# KiCad board labathome_pcb.kicad_pcb (continued)
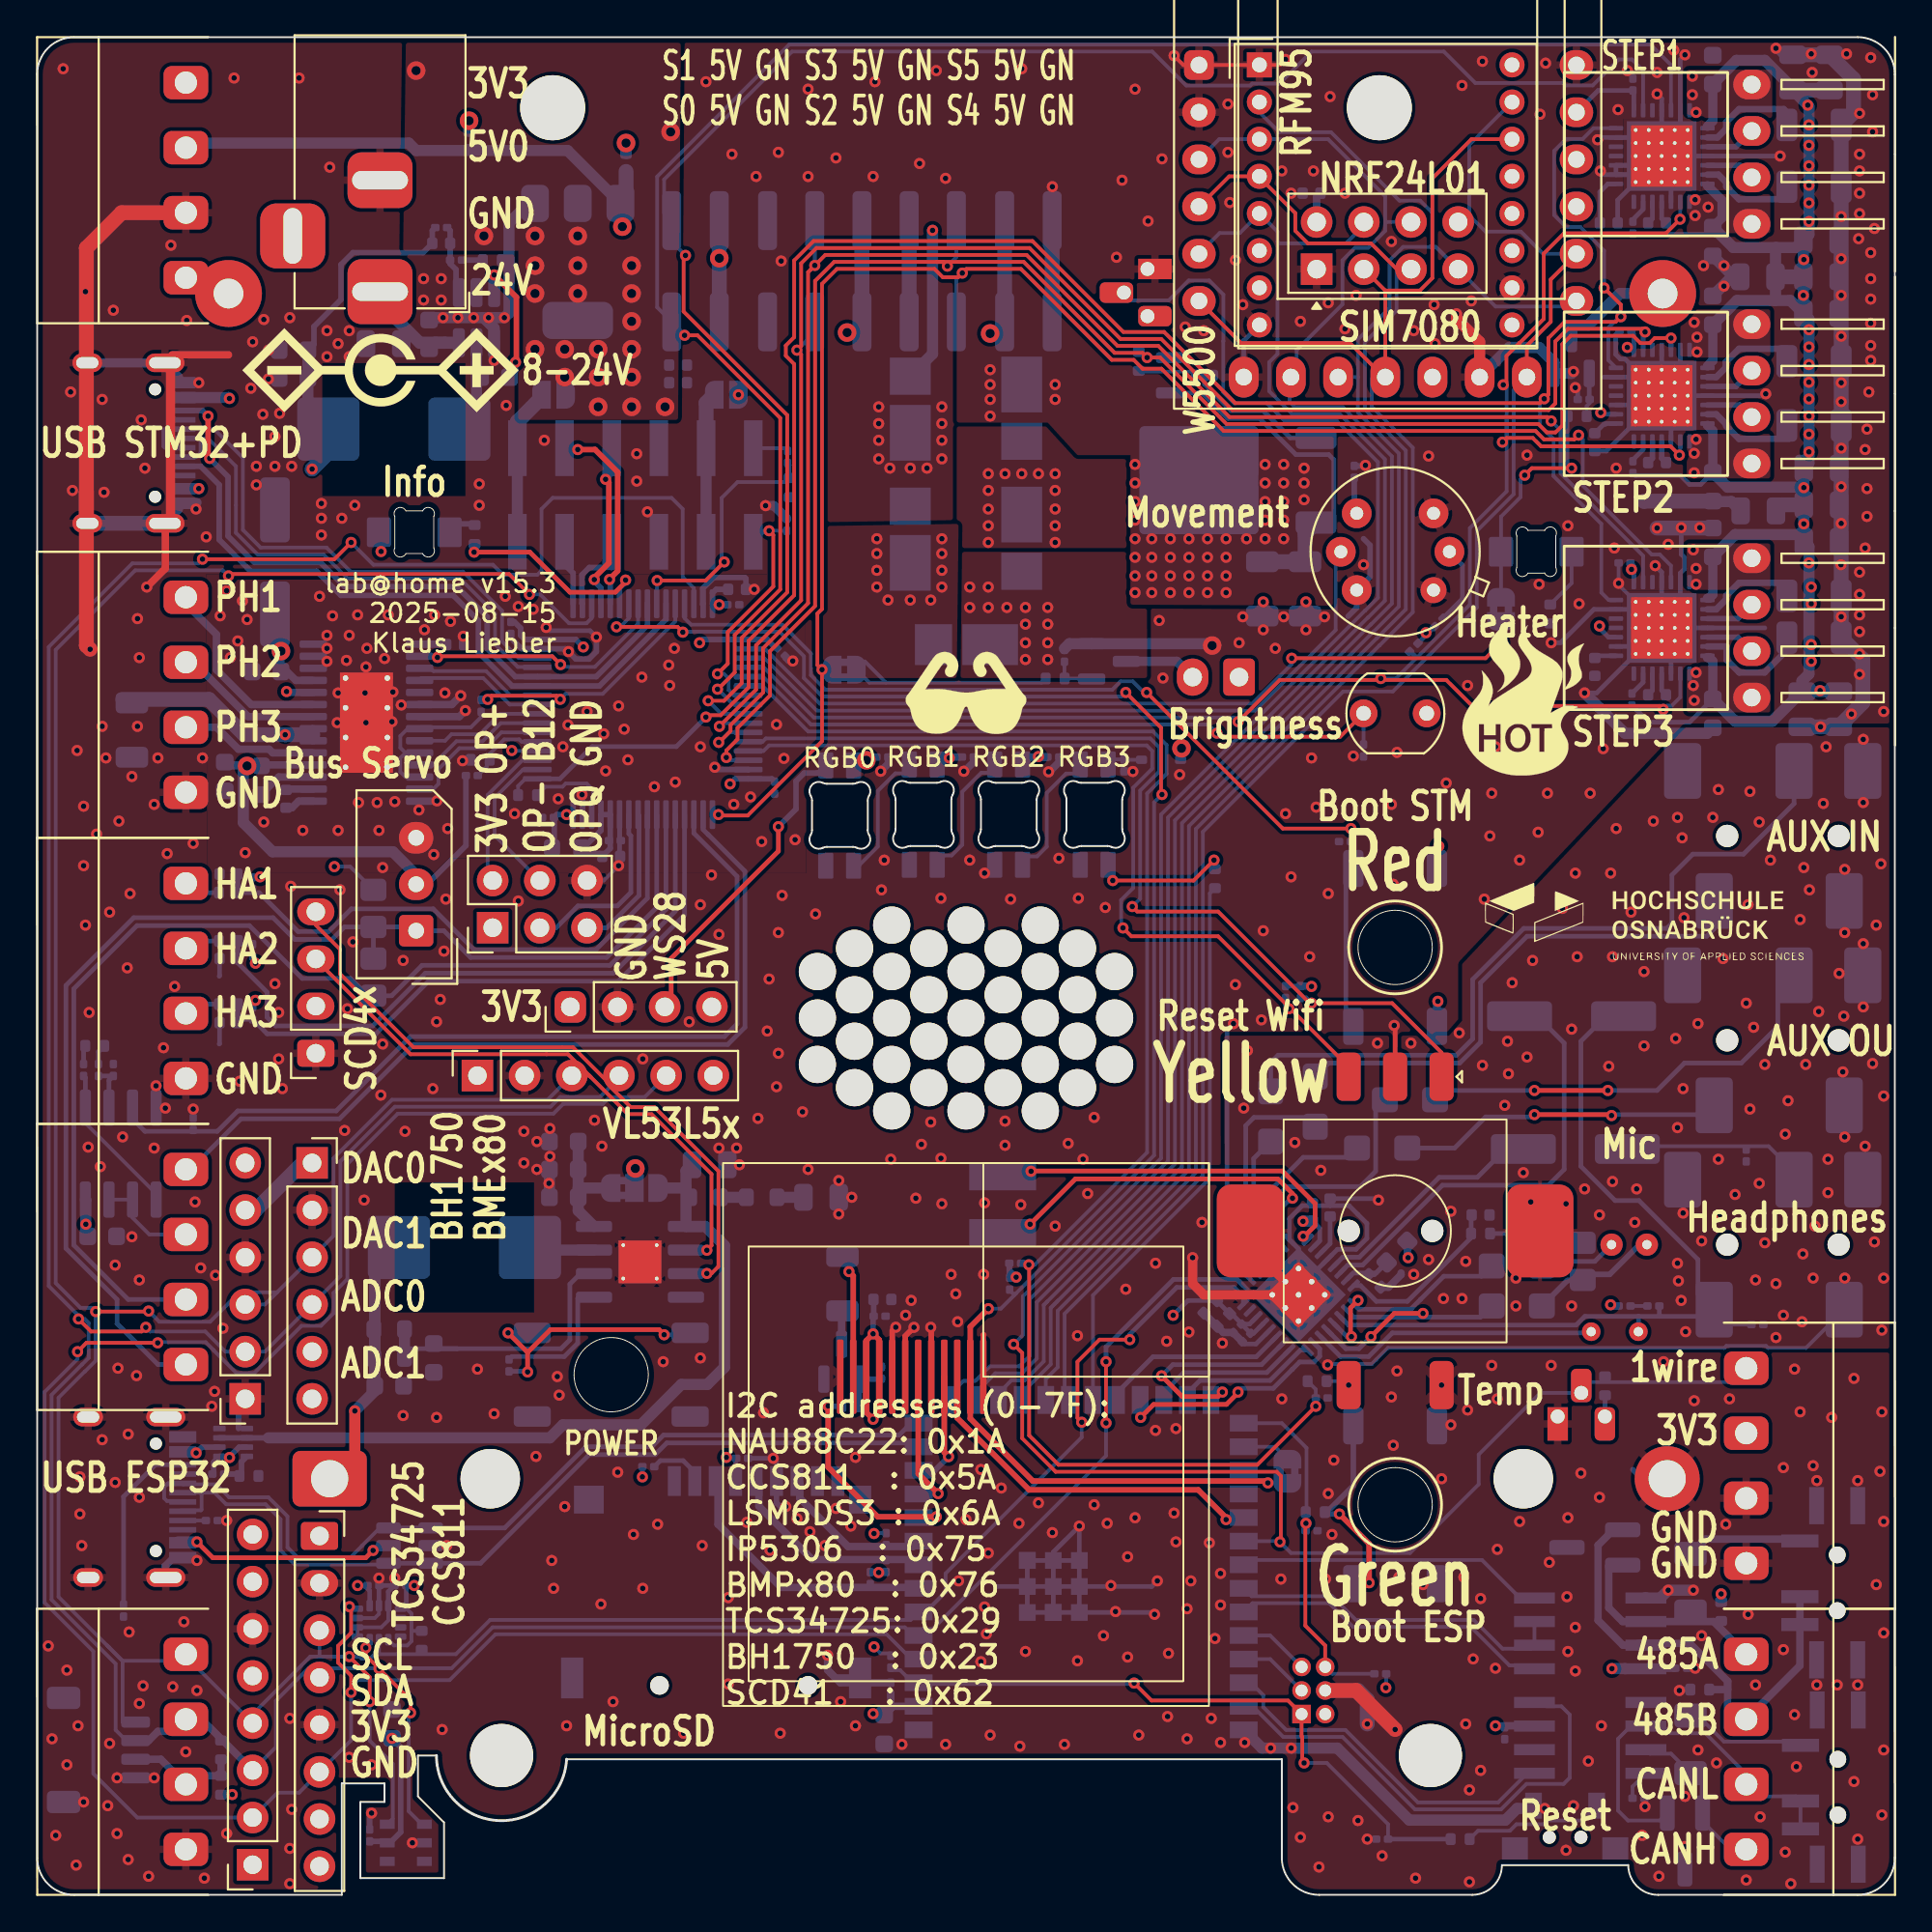
[diagram p0: board, top side]
## Nets (continued)
5-24V: C39.1 C51.2 C52.2 C58.1 C63.1 C64.2 C68.1 C69.2 C72.2 C75.1 C76.1 C77.2 C78.2 C79.2 C80.2 C85.2 C86.1 C88.2 C89.1 C90.1 C92.1 C93.2 C96.2 C97.2 C98.1 C102.2 C103.2 C104.2 D8.2 J9.2 J13.A4 J13.A9 J13.B4 J13.B9 J18.2 J22.4 R33.1 R68.1 U3.4 U3.11 U14.22 U14.28 U16.8 U19.22 U19.28 U20.22 U20.28 U27.3
485_DE: U1.2 U1.3 U4.34
485_DI: U1.4 U4.33
485_RO: U1.1 U4.35
+BATT: BT1.1 C29.1 L1.2 R7.1 R28.1
/actors/D9_COOL: D12.1 Q3.2
/actors/D10_COOL: D9.1 D10.2
/actors/D11_COOL: D10.1 D11.2
/actors/D12_COOL: D8.1 D9.2
/actors/D13_COOL: D11.1 D12.2
/audioamplifier/JACK_DETECT: C18.2 J16.T R25.2 R27.1 TP1.1 U10.3
/psu/BOOT: C81.1 U27.6
/psu/FB: C82.1 R59.2 R60.2 U27.4
/psu/SW: C81.2 L4.2 U27.2
ADC0_U1T: J27.3 R77.1 U5.22
ADC1_U1R: J18.1 J27.4 R76.2 R77.2 U5.23
BL_DRV1: U3.27 U5.38
BL_DRV2: U3.25 U5.39
BL_DRV3: U3.23 U5.40
BL_ENABLE: R63.2 U3.22 U3.24 U3.26
BL_ENABLEx: R63.1 U5.60
BL_FAULT: U3.18 U5.41
BL_HALL1: C8.1 R16.2 R17.2 U5.24
BL_HALL2: C9.1 R14.2 R51.2 U5.21
BL_HALL3: C10.1 R10.2 R64.2 U5.20
BL_ISENSE: R38.1 U3.6 U3.7 U3.10 U5.36
BL_RESET: U3.16 U5.56
BL_SLEEP: U3.17 U5.42
BRIGHTNESS: R11.1 R32.2 U5.5
BTN_GRN: C53.2 J6.6 R40.1 R41.2 U4.27
BTN_RED: R39.1 SW7.2 U5.61
BTN_YEL: C40.2 R66.2 R67.2 U5.6
CAN_RX: U4.39 U7.4
CAN_TX: U4.38 U7.1
CANH: D3.2 J15.1 R46.2 U7.7
CANL: D3.1 J15.2 SW3.2 SW3.3 U7.6
DAC0: J27.1 U5.18
DAC1: R50.2 U5.19 U16.3
DAC1x: J27.2 U16.6 U16.7
EXT_CLK: M1.4 U4.18 U6.4 U15.5
EXT_CS: M1.5 U4.15 U6.5 U15.4
EXT_IO1: M1.6 U4.19 U6.14 U15.3 X3.4
EXT_IO2: M1.8 U4.20 U6.15 U15.8 X3.7
EXT_MISO: M1.7 U4.17 U6.2 U15.7 X3.3
EXT_MOSI: M1.3 U4.16 U6.3 U15.6 X3.2
FAN_DRIVE: J25.5 JP9.1 U5.17 U20.19
HEATER: JP8.1 U5.2
HEATER_SW: Q2.3 R33.2
I2C_IRQ: J12.2 J20.6 J23.5 U4.4 U9.4
I2S_ADC: U4.24 U10.9
I2S_BCLK: U4.25 U10.8
I2S_DAC: U4.26 U10.10
I2S_FS: U4.23 U10.7
I2S_MCLK: U4.22 U10.11
LCD_BACKLIGHT: R74.2 U4.10
LCD_CLK: U4.12 X2.9
LCD_DAT: U4.31 X2.10
LCD_DC: U4.11 X2.7
LCD_LED: R78.1 X2.2
LCD_RES: JP3.2 R62.2 U5.55 X2.11
LED_INFO: R34.1 U5.54
LED_RGB: R70.2 U4.21
LED_WHITE_P: J25.6 R12.2 U5.14 U19.19
MOVE: U5.3 U22.5
OPAMP3+: J26.2 U5.35
OPAMP3-: J26.3 U5.26
OPAMP3Q: J26.5 U5.25
PB12: J26.4 U5.34
PROG_EN: C5.1 J6.1 R1.2 R2.1 U4.3
PROG_RX: J6.5 U4.36
PROG_TX: J6.3 U4.37
ROT_A: R36.1 SW6.A U5.12
ROT_B: R37.2 SW6.B U5.13
RS485A: D2.2 J15.4 R8.2 R20.1 U1.6
RS485B: D2.1 J15.3 R5.1 SW2.2 SW2.3 U1.7
SCL: J2.1 J4.3 J10.3 J11.4 J12.4 J19.3 J20.3 J23.3 R44.1 U2.2 U4.6 U5.51 U9.13 U10.16 U12.3
SDA: J2.2 J4.4 J10.4 J11.3 J12.3 J19.2 J20.4 J23.4 R43.1 U2.3 U4.5 U5.62 U9.14 U10.17 U12.4
STEPPER_DIR1: J25.17 U5.8 U14.19
STEPPER_EN: R29.1 U5.4 U14.2 U19.2 U20.2
STEPPER_STEP1: J25.18 U5.9 U14.16
STEPPER_STEP2: J25.11 U5.10 U19.16
STEPPER_STEP3: J25.12 U5.11 U20.16
STEPPER_UART: R22.2 U5.33 U14.14 U19.14 U20.14
STM32_RESET: C25.1 J36.2 U5.7
SWCLK: J36.8 U5.50
SWDIO: J36.10 U5.49
U3T: R22.1 U5.30
UART4_RX: J36.9 U5.53
UART4_TX: J36.7 U5.52
USBM: J5.A7 J5.B7 U4.13 U8.3 U8.4
USBP: J5.A6 J5.B6 U4.14 U8.1 U8.6
USBPD_CC1: J13.A5 U5.43 U5.59
USBPD_CC2: J13.B5 U5.44 U5.57
USBPD_D+: J13.A6 J13.B6 U5.46
USBPD_D-: J13.A7 J13.B7 U5.45
uSD_CLK: J17.5 R57.2 U4.8
uSD_CMD: J17.3 R56.2 U4.7
uSD_D0: J17.7 R58.2 U4.9
Net-(C1-Pad1): C1.1 R3.2
Net-(C16-Pad2): C16.2 J14.T
Net-(C17-Pad2): C17.2 J14.R
Net-(C19-Pad2): C19.2 J16.R R55.1
Net-(C24-Pad1): C24.1 J3.R
Net-(C62-Pad1): C62.1 J3.T
Net-(D14-A): D14.2 JP8.2 R30.2
Net-(D14-K): D14.1 R6.2
Net-(D15-DIN): D15.4 D21.2
Net-(D15-DOUT): D15.2 D16.4
Net-(D16-DOUT): D16.2 D17.4
Net-(D17-DOUT): D17.2 J8.3
Net-(D19-K): D19.1 R34.2
Net-(D20-K): C45.2 D20.1 D21.1
Net-(D21-DIN): D21.4 R70.1
Net-(J1-Pin_1): J1.1 R16.1
Net-(J1-Pin_2): J1.2 R14.1
Net-(J1-Pin_3): J1.3 R10.1
Net-(J5-CC1): J5.A5 R18.1
Net-(J5-CC2): J5.B5 R19.1
Net-(J7-Pin_2): J7.2 Q5.3
Net-(J17-DAT3/CD): J17.2 R61.2
Net-(J24-Pin_1): J24.1 U14.1
Net-(J24-Pin_2): J24.2 U14.26
Net-(J24-Pin_3): J24.3 U14.24
Net-(J24-Pin_4): J24.4 U14.21
Net-(J28-Pin_1): J28.1 U3.9
Net-(J28-Pin_2): J28.2 U3.8
Net-(J28-Pin_3): J28.3 U3.5
Net-(J30-Pin_1): J30.1 U19.1
Net-(J30-Pin_2): J30.2 U19.26
Net-(J30-Pin_3): J30.3 U19.24
Net-(J30-Pin_4): J30.4 U19.21
Net-(J31-Pin_1): J31.1 U20.1
Net-(J31-Pin_2): J31.2 U20.26
Net-(J31-Pin_3): J31.3 U20.24
Net-(J31-Pin_4): J31.4 U20.21
Net-(J36-Pin_3): J36.3 J36.4 JP4.1
Net-(J36-Pin_11): J36.11 J36.12 JP5.2
Net-(JP2-A): C28.2 C30.2 C31.2 JP2.1 U2.8
Net-(JP2-B): C4.1 JP2.3 R47.1 U2.1 U18.2 U18.7
Net-(JP3-A): JP3.1 U4.28
Net-(JP9-B): JP9.2 R35.2
Net-(MK1-+): C23.1 MK1.2 R24.1
Net-(MK1--): C20.1 MK1.1 R23.2
Net-(Q1-B): Q1.1 Q3.3 R13.1 R15.1
Net-(Q1-C): Q1.3 Q3.1 R12.1
Net-(Q2-G): Q2.1 R30.1 R31.2
Net-(Q5-G): Q5.1 R35.1 R45.2
Net-(Q6-D): Q6.3 R78.2
Net-(Q6-G): Q6.1 R74.1 R75.1
Net-(R1-Pad1): R1.1 SW1.2
Net-(R3-Pad1): R3.1 R47.2
Net-(R4-Pad2): R4.2 SW5.2
Net-(R25-Pad1): R25.1 R54.2
Net-(R40-Pad2): R40.2 SW8.2
Net-(R48-Pad2): R48.2 R60.1
Net-(R49-Pad1): R49.1 R85.1
Net-(R49-Pad2): R49.2 R82.2
Net-(R66-Pad1): R66.1 SW6.S2
Net-(SW2-A): R20.2 SW2.1
Net-(SW3-A): R46.1 SW3.1
Net-(U2-BAT): C7.1 R7.2 R28.2 U2.6
Net-(U2-KEY): R4.1 U2.5
Net-(U2-SW): L1.1 U2.7
Net-(U3-CPH): C38.2 U3.2
Net-(U3-CPL): C38.1 U3.1
Net-(U3-V3P3): C61.1 U3.15
Net-(U3-VCP): C51.1 U3.3
Net-(U5-VDDA): C37.1 C49.1 FB2.1 U5.28 U5.29
Net-(U7-Rs): R21.1 U7.8
Net-(U10-AUXOUT1): C16.1 U10.21
Net-(U10-AUXOUT2): C17.1 U10.22
Net-(U10-LAUXIN): C62.2 U10.19
Net-(U10-LHP): C18.1 U10.30
Net-(U10-LMICN): C20.2 U10.2 U10.5
Net-(U10-LMICP): C23.2 U10.1 U10.4
Net-(U10-LSPKOUT): LS1.1 U10.25
Net-(U10-MICBIAS): C22.1 R24.2 U10.32
Net-(U10-MODE): R26.1 U10.18
Net-(U10-RAUXIN): C24.2 U10.20
Net-(U10-RHP): C19.1 U10.29
Net-(U10-RLIN/GPIO3): TP6.1 U10.6
Net-(U10-RSPKOUT): LS1.2 U10.23
Net-(U10-VREF): C21.1 U10.27
Net-(U12-VDD): C56.1 C57.2 R9.2 U12.2
Net-(U14-5VOUT): C73.1 U14.8
Net-(U14-BRA): R83.1 U14.23
Net-(U14-BRB): R79.1 U14.27
Net-(U14-CPI): C74.2 U14.5
Net-(U14-CPO): C74.1 U14.4
Net-(U14-VCP): C75.2 U14.6
Net-(U16A--): R81.2 R82.1 U16.2
Net-(U16B-+): R85.2 U16.1 U16.5
Net-(U18-PR1): R72.1 R73.2 U18.4
Net-(U19-5VOUT): C70.1 U19.8
Net-(U19-BRA): R80.1 U19.23
Net-(U19-BRB): R84.1 U19.27
Net-(U19-CPI): C71.2 U19.5
Net-(U19-CPO): C71.1 U19.4
Net-(U19-VCP): C58.2 U19.6
Net-(U20-5VOUT): C94.1 U20.8
Net-(U20-BRA): R87.1 U20.23
Net-(U20-BRB): R88.1 U20.27
Net-(U20-CPI): C95.2 U20.5
Net-(U20-CPO): C95.1 U20.4
Net-(U20-VCP): C90.2 U20.6
Net-(U22-OEN): R53.2 U22.2

Pads without a net: J3 TN; J5 A8 B8; J9 3; J10 5 6; J12 1 7 8; J13 A8 B8; J14 TN; J17 1 8 9; J19 6; J20 7 8; J23 6; M1 9; SW1 MP; U2 4; U3 19; U4 29 30; U6 6 7 9 11 12 16; U7 5; U9 9 10 11; U10 15; U12 1 6; U14 7 11 12 17; U18 8; U19 7 11 12 17; U20 7 11 12 17; U27 5

## Via types
v1: diameter 0.6, hole 0.3, Top to Bottom, 1101 vias
v2: diameter 1, hole 0.5, Top to Bottom, 34 vias

## Routing (per net, layer and track width the routed paths; a pad name or vN(x,y) marks a point on that pad's centre or on a via; arc(x,y) is an arc through that point)
5V_PD: length 76.9
  In2.Cu w0.8: v1(14.8,76.75) 14.3,76.25 14.3,66.46 13.54,65.7 13.08,65.7 12.47,65.1 12.47,60.83 12.49,60.82 12.49,59.65 9.81,56.97 9.81,42.81 12.62,39.99 12.62,25.22 10.95,23.55 10.36,23.55 v1(10.35,23.54)
  Bottom w0.3: R59.1 21.27,89.59 C82.2 20.77,88.4 17,88.4 16.36,87.76 16.36,85.88 14.9,84.42 14.9,83.47 C84.1 ; 9.5,22.6 9.5,23.29 U18.5 10.3,23.6 v1(10.35,23.54) 10.35,23.58 10.87,24.1 U18.3
  Bottom w0.6: C84.1 C83.1 14.58,80
  Bottom w0.8: 15.67,77.62 v1(14.8,76.75)
5V_USB: length 18.1
  Top w0.25: v1(8.6,19) 9.45,18.15 17.69,18.15 v1(18.08,18.54)
  In2.Cu w0.6: 8.6,23.78 v1(8.6,19)
  Bottom w0.25: U8.5 18.34,18.8 v1(18.08,18.54)
  Bottom w0.3: U18.6 8.87,24.1 v1(8.56,23.79)
  Bottom w0.6: 7.6,19 v1(8.6,19)
24V_INPUT: length 13.6
  Top w0.2: v1(36.99,71.75) 35.99,70.75 v1(33.38,70.75)
  Bottom w0.2: v1(33.38,70.75) 33.38,70.3 33.35,70.27 U5.58 ; 40.5,76.98 R71.1 40.29,76.05 37.7,76.05 36.85,75.2 36.85,71.89 v1(36.99,71.75)
24V_SENSE: length 4.1
  Bottom w0.2: R69.1 24.36,61.42 25.14,62.2 25.95,62.2 26.08,62.08 U5.37 ; 24.2,60.94 24.2,60.73 R68.2
+3.3VA: length 3.8
  Bottom w0.25: C14.1 71.99,33.39 FB1.1 72.07,33.47 70.84,33.47 U10.31
+3V3: length 621.8
  Top w0.3: 44.63,25.97 v1(45,25.6) 45.33,25.93 X2.4 45.33,29.87 v1(45,30.2) 44.63,29.83 X2.3 44.63,25.97
  In2.Cu w0.25: 14.69,48.15 v1(11.75,48.15) v1(11.75,50.15) 11.75,54.55 v1(12,54.8) 12.55,55.35 v1(16,55.35) ; v1(72.6,11.15) 71.7,11.15 ; 13.4,15.55 15.96,15.55 17.06,16.65 v1(17.25,16.65) 17.47,16.43 20.08,16.43 v1(20.3,16.65) ; v1(45.05,19.45) 45.05,20.4
  In2.Cu w0.3: v1(18.51,72.31) 18.51,71.89 18.84,71.56 21.61,71.56 28.4,78.35 v2(28.4,81.7)
  In2.Cu w0.4: v1(73.8,34.3) 73.8,36.29 75.7,38.19 ; 84.59,83.25 77.8,83.25 77.19,83.86 ; 84.59,83.25 84.2,83.25 84.2,79.82 v1(84.17,79.79) ; 84.59,83.25 85.55,83.25 v1(85.6,83.3) ; v1(68.6,48.9) 68.69,48.9 69.09,48.5 75.4,48.5 75.7,48.8 ; 74.6,68.1 83.9,68.1 v1(84.1,68.3) 84.18,68.38 84.18,70.63 84.89,71.35 v1(85.82,71.35) ; 75.7,48.8 75.7,48.4 v1(75.4,48.1) ; 75.7,48.8 75.7,38.19 ; 75.7,48.8 75.7,56.2 v1(75.45,56.45) 74.8,57.1 R32.1 ; v1(84.7,31.77) 83.52,31.77 77.1,38.19 75.7,38.19
  In2.Cu w0.6: 66.28,83.33 73.48,83.33 X3.5 78,84.59 78,91.12 U6.13 80.31,93.42 M1.10 M1.11 ; 66.28,83.33 61.42,83.33 U17.3 ; 66.28,83.33 67.2,83.33 67.2,88.38 U15.2 ; 8.61,96.95 19.15,96.95 v2(20.4,98.2) ; 33.69,63.11 33.46,63.11 v1(29.4,67.17) ; 35.66,69.5 35.71,69.45 v1(36.71,69.45)
  In2.Cu w0.8: 78.4,11.15 83.75,11.15 85.4,12.8 85.4,13.9 86.1,14.6 ; 78.4,11.15 70.47,11.15 70.43,11.1 ; 78.4,11.15 78.4,9.2 v1(78.5,9.1) ; 23.3,44.3 21.7,44.3 ; 21.7,44.3 18.25,44.3 14.8,40.85 J10.1 16.25,37.95 16.25,32.6 18.35,30.5 18.35,19.7 19.05,19.7 ; 21.7,44.3 18.8,44.3 15.26,47.84 ; 52.7,31.2 v1(61.15,31.2) ; 52.7,31.2 50.24,28.74 48.04,28.74 45.05,25.75 45.05,22.55 ; 52.7,31.2 v1(52.7,33.25) ; J2.3 9.81,7.75 9.81,9.99 J12.5 13.4,13.58 13.4,17.52 J20.1 ; 33.82,80.05 35.66,78.22 35.66,65.08 33.69,63.11 ; 85.54,25.25 85.04,25.75 U13.3 ; 85.54,25.25 85.94,24.85 J21.3 ; 85.54,25.25 85.4,25.09 85.4,15.31 86.1,14.6 ; 86.1,14.6 86.34,14.85 89.3,14.85 v1(90.65,16.2) ; 45.05,22.55 38.1,22.55 v1(37.1,23.55) 36.15,22.6 32.68,22.6 v1(32.58,22.5) ; 45.05,22.55 45.05,9.8 ; 23.07,47.8 23.07,52.1 ; 23.07,47.8 J8.1 ; 23.07,47.8 23.07,44.73 J23.1 ; 23.07,52.1 23.11,52.06 J26.1 ; 23.07,52.1 23.07,55.27 25.1,57.3 27.65,57.3 v1(28.5,58.15) 30.25,58.15 33.56,61.46 33.56,62.22 ; v2(29.1,89.3) 30.7,90.9 35.85,90.9 40.95,85.8 52.4,85.8 60.32,77.88 68.36,77.88 71.05,75.19 71.05,74.35 ; R32.1 74.8,67.9 74.6,68.1 v1(74.76,67.94) 73,69.7 73,72.4 U22.4 ; v1(45,9.75) 45.05,9.8 ; 45.05,9.8 59.2,9.8 60.5,11.1 65.37,11.1 67.62,13.35 69.8,13.35 70.43,12.72 70.43,11.1 ; 15.58,19.7 19.05,19.7 ; 19.05,19.7 29.78,19.7 v1(32.58,22.5) ; 33.56,62.22 33.56,62.98 ; 33.56,62.22 35.97,59.8 v1(37.3,59.8) ; 32.58,22.5 v1(32.58,22.5) ; v2(34.1,94.9) 48.57,94.9 56.24,87.23 56.24,85.96 57.22,84.98 U17.3 ; 70.43,11.1 70.43,10.11 70.04,9.73 69.34,9.73
  Bottom w0.2: v1(45.05,19.45) 45.07,19.47 R58.1 ; v1(28.5,58.15) U5.32 ; v1(72.6,11.15) 72.62,11.17 R41.1 ; 18.9,13.73 19.21,13.43 19.93,13.43 20.15,13.65 20.15,14.2 ; 45.93,12.85 R2.2 45.95,13 45.4,13 v1(45.05,13.35) ; U9.8 19.89,15.4 20.15,15.14 20.15,14.2 ; R76.1 16.85,55.35 v1(16,55.35) ; 20.15,14.2 20.16,14.21 R44.2
  Bottom w0.25: J17.4 37.6,23.47 ; U20.15 85.95,71.52 C91.1 ; M1.11 84.03,97.13 C87.1 ; R51.1 11.6,50.3 v1(11.75,50.15) ; U20.10 84.59,67.7 84.1,68.19 v1(84.1,68.3) ; v1(85.6,83.3) 85.74,83.16 U19.15 85.95,83.97 ; R29.2 75.2,68.25 75.25,68.25 ; R64.1 11.6,48 v1(11.75,48.15) ; v1(12,54.8) 11.97,54.77 R17.1 ; v1(32.58,22.5) R61.1 ; U10.13 65.99,30.74 65.48,30.23 C65.1 C66.1 65.27,30.73 U10.14 ; v1(37.1,23.55) 37.15,23.5 C26.2 ; 64.8,30.78 64.29,31.29 C13.1 C12.1 61.94,31.99 v1(61.15,31.2) ; v1(20.3,16.65) C55.2 19.87,15.71 U9.8 ; U19.9 84.26,79.7 v1(84.17,79.79) ; R37.1 R36.2 ; U14.15 85.95,97.08 ; v1(17.25,16.65) C54.2 17.78,16.49 17.9,16.37 U9.5 ; R42.2 84.4,25.75
  Bottom w0.3: C33.1 25.69,68.52 26.03,68.19 26.03,67.8 26.25,67.58 U5.48 29,67.58 v1(29.4,67.17) ; 36.35,70.08 36.55,70.28 C36.1 ; C34.1 36.4,69.45 U5.64 ; 27.84,56.47 27.84,57.98 ; 52.33,33.24 R67.1 52.33,33.62 v1(52.7,33.25) ; 70.9,74.5 C60.2 ; 39.75,67.13 39.3,67.58 U5.1 35.83,67.58 v1(35.66,67.4) ; v1(45,30.2) 45,31.12 ; C50.1 39.54,60.08 U5.16 37.57,60.08 v1(37.3,59.8) ; C27.2 45.03,32.04 ; C32.1 27.97,58.15 U5.32 ; R8.1 v1(90.65,16.2)
  Bottom w0.4: FB1.2 73.76,34.34 v1(73.8,34.3) ; SW7.1 75.35,48.05 v1(75.4,48.1) ; J11.2 6.66,7.3 J2.3 8.47,6.41 R9.1 R43.2 ; C59.1 68.88,91.4 U15.2 ; v1(18.51,72.31) 18.51,73.24 ; R36.2 68.58,48.92 v1(68.6,48.9) ; C2.1 45.95,10.03 ; 45.95,10.03 C6.1 ; 45.95,10.03 46.07,10.15 U4.2 ; R54.1 84.76,31.7 v1(84.7,31.77) ; C3.2 86.63,12.2 ; v1(78.5,9.1) 79.7,9.1 ; v1(75.45,56.45) 75.35,56.35 SW7.1
  Bottom w0.6: 85.47,12.17 85.46,12.18 v1(84.77,12.18)
  Bottom w0.8: J19.5 11.76,36.86 14.3,39.4 J10.1
  vias: v1(45.3,17.35) v2(24.05,89.3) v2(26.8,89.3) v2(26.8,87.7) v2(26.8,86.2) v2(26.8,83.2) v2(28.4,83.2) v2(29.1,87.7) v2(29.1,86.2) v2(30.2,83.2) v2(30.2,81.7) v2(30.2,80.1) v2(32,87.7) v2(32,86.2) v2(32,84.7) v2(32,83.2) v2(32,81.7) v2(32,80.1) v2(33.8,80.1)
+5V: length 219.4
  In2.Cu w0.6: 46.4,61.28 44.92,61.28 44.4,61.8 ; 46.4,61.28 61.16,61.28 v2(61.6,61.72) ; 46.4,61.28 44.84,61.28 v2(44.63,61.08) ; v2(32.2,39.1) 33.4,39.1 37.75,43.45 37.75,47.8 ; v2(31.5,89.8) 35.52,89.8
  In2.Cu w0.8: v2(61.6,61.72) 61.26,61.38 44.94,61.38 v2(44.63,61.08) ; v2(61.6,61.72) 62.4,60.92 62.4,41.4 67.45,36.35 68.14,36.35 ; v2(61.6,61.72) 61.6,62.45 J7.1 ; 37.54,84.05 37.54,87.65 35.38,89.8 v2(31.5,89.8) ; 37.54,84.05 42.25,84.05 ; 37.54,84.05 37.54,80.96 v1(37.75,80.75) 37.75,80.34 37.72,80.31 37.72,73.28 44.4,66.6 44.4,61.31 v2(44.63,61.08) ; v2(32.2,39.1) 33.9,39.1 37.85,43.05 37.85,56.9 42.02,61.08 v2(44.63,61.08) ; 42.25,84.05 v2(51.3,84.05) ; 42.25,84.05 43.55,84.05 v2(43.6,84.1) ; 37.75,47.8 J8.4
  Bottom w0.25: U10.26 69.04,35.21 69.04,35.88 C15.1
  Bottom w0.4: D20.2 61.55,61.67 v2(61.6,61.72) ; 49.62,61.25 49.15,61.25 v1(49.1,61.2) 49.05,61.25 49,61.25 48.55,60.8 ; D15.1 53.44,61.25 C46.2 53.93,61.25 v1(53.9,61.28)
  Bottom w0.6: v1(68.14,36.26) 68.15,36.27 C15.1 ; 8.25,94.3 20,94.3 20.4,93.9 28.55,93.9 U11.3 31.4,89.9 v2(31.5,89.8)
  Bottom w0.8: J25.3 J25.4 ; JP2.2 32.15,39.05 v2(32.2,39.1) ; J25.15 v2(36.72,88.1) J25.16 ; C41.2 31.7,91.35 ; 37.75,80.71 v1(37.75,80.75) ; J25.9 J25.10
/slave_cpu/24V_INP: length 1.9
  Bottom w0.2: R65.1 40.25,77.88 J36.1
GND: length 454.9
  Top w0.2: 65.78,98.5 M1.1 61.7,98.5 v1(61.2,99) ; U6.1 66.91,98.51 v1(67.2,98.8)
  Top w0.25: SW6.C 73.1,46.75 v1(73.05,46.8)
  Top w0.3: v1(48.1,30.55) 48.13,30.52 X2.8 ; v1(47.2,30.55) 46.73,30.08 X2.6 ; v1(46.22,30.55) 46.03,30.36 X2.5 ; 50.95,30.15 50.93,30.13 X2.12
  Top w0.4: 7.26,82.9 10.3,82.9 ; 6.9,73.76 6.9,71.4 v1(5.9,70.4) ; 2.65,85.35 2.65,68.6
  Top w0.5: NT1.1 62.8,32.3 62.2,32.9 v1(62.2,34.3) ; 6.83,82.47 7.18,82.12 7.18,74.18 6.83,73.83
  Top w0.6: v1(76.4,85.1) 76.4,84.85 77.65,83.6 X3.6
  Top w0.8: v1(73.1,8.9) 71,11 69.34,11 ; J22.3 4.55,90.55 2.65,88.65 2.65,75.5 ; v1(2.85,67.05) 2.65,67.25 2.65,75.5 ; 2.65,75.5 2.65,73.83
  In1.Cu w0.3: U22.1 71.03,70.23 ; U22.3 73.46,74.37 71.57,76.25 ; U22.6 75.16,74.37 ; v1(59.8,90.1) 59.77,90.07 U17.1
  In2.Cu w0.6: X3.6 76.45,81.7
  In2.Cu w0.8: 29.1,54.53 29.55,54.98
  Bottom w0.2: U12.5 v1(20.2,2.8) ; C91.2 v1(85.13,70.6) 85.13,70.52 U20.29 ; v1(31.3,55.4) 30.5,54.6 J26.6 ; U9.7 18.9,14.78 18.53,14.4 U9.2 U9.1 ; R21.2 86.52,4.78 v1(86.55,4.75) ; U9.6 18.4,15.12 18.17,14.9 U9.3
  Bottom w0.25: U20.29 83.95,64.7 v1(83.3,64.7) ; U14.10 86.55,93.1 ; U14.10 86.95,93.1 ; U14.10 U14.9 ; U14.20 88.45,98.8 v1(88.7,99.05) ; U14.20 88.45,94.6 ; U14.20 88.45,95.4 U14.29 ; U10.12 65.6,29.65 65,29.65 C65.2 ; v1(60.3,16.9) 60,16.6 U4.41 ; C73.2 85.08,91.23 U14.29 ; U4.41 U4.41 ; U4.41 U4.41 ; U4.41 U4.41 U4.41 ; U20.29 U20.25 93,68.2 ; v1(87.1,71.55) 87.45,71.2 U20.18 U20.29 ; 9.8,45.8 9.82,45.82 C10.2 ; U4.41 U4.41 U4.41 ; U4.41 U4.41 ; U4.41 U4.41 ; U4.41 54.7,18.45 v1(56.1,19.85) U4.41 ; 9.8,49.45 9.82,49.47 C9.2 ; U8.2 v1(22.05,18.8) ; v1(93.82,93.6) U14.25 U14.29 ; C54.1 C55.1 18.9,16.32 U9.7 ; C87.2 85.9,97.9 v1(85.6,98.2) ; U4.41 51.6,16.6 ; U4.41 U4.41 U4.41 ; U4.41 60.05,15.2 v1(60.15,15.1) ; 88.45,82.4 U19.20 88.45,81.7 ; 88.45,69.2 U20.20 88.45,71.15 88.68,71.38 88.68,71.99 88.5,72.17 v1(88.5,73.6) ; C26.1 v1(39.62,23.5) 39.8,23.33 J17.6 ; U14.29 85.65,94.6 U14.13 ; U19.18 U19.29 ; U14.9 85.65,92.6 U14.29 ; U14.9 86.45,92.6 ; U14.9 84.35,92.6 v1(84.15,92.8) ; 90.28,86.08 v1(90.8,86.6) ; U19.3 87.95,80.2 ; U19.29 U19.25 92.95,80.7 v1(93.05,80.8) ; U19.29 85.47,82.67 85.22,82.67 84.97,82.92 84.97,84 C120.2 ; v1(87.2,96.94) 87.45,96.69 U14.18 U14.29 ; v1(64.4,46.9) 64.05,46.55 64.05,34.7 R26.2 ; U19.29 84.47,77.72 C70.2 ; U14.13 86.45,94.6 ; U14.13 84.12,94.6 v1(84,94.47) ; U20.9 86.45,67.2 ; 31.35,56.82 U5.27 31.35,55.93 ; 84.32,81.7 U19.13 86.45,81.7 ; v1(81.5,67.4) 82,67.4 83.8,69.2 U20.13 86.45,69.2 ; U19.10 86.25,80.2 ; U9.6 18.4,16.63 ; U6.8 64.95,83.67 X3.1 ; U20.3 87.95,67.7 ; v1(27.4,68.22) 27.58,68.05 29.76,68.05 v1(30.1,67.71) ; v1(82.8,81.14) 82.93,81 R31.1 ; U14.3 87.95,92
  Bottom w0.3: 85.9,22.89 87.08,21.71 ; C3.1 v1(89.25,12.2) ; U5.31 29.35,59.2 v1(29.33,59.22) ; 71.4,73 71.75,72.65 71.75,70.95 U22.6 71.03,69.29 70.57,68.83 ; 38.29,60.56 U5.15 36.6,60.58 v1(36.47,60.7) ; C33.2 25.5,67.65 26.08,67.08 U5.47 28.45,67.08 v1(28.6,66.92) 29,66.53 29.7,66.53 30.1,66.93 v1(30.1,67.71) ; R5.2 88.45,11.05 v1(88.4,11) ; v1(71.5,76.95) 71.47,76.92 C60.1 ; v1(40.3,20.9) 40,20.9 39.8,21.1 J17.6 ; v1(38.6,70.28) C36.2 38.16,70.84 38.09,70.91 36.42,70.91 35.82,70.32 35.82,69.47 U5.63 ; C57.1 17.9,4.3 v1(18,4.4) ; C35.2 40.28,66.57 40.43,66.42 v1(40.68,66.42) ; 10.84,25.1 10.84,26.34
  Bottom w0.4: C46.1 55.02,60.99 54.49,60.45 v1(54.45,60.45) ; C47.1 50.42,60.99 49.92,60.48 v1(49.88,60.48) ; C45.1 58.97,60.48 v1(58.98,60.47) ; v1(93.6,99.4) 93.95,99.05 C77.1 96.5,99.05 ; 7.65,18.2 8.4,18.2 v1(8.6,18) ; v1(23.05,63.75) 22.72,63.42 20.56,63.42 ; v1(22.94,67.75) 22.94,67.34 ; C2.2 43.23,11.42 42.7,11.95 ; C65.2 C66.2 63.85,30.27 C13.2 C12.2 ; C48.1 45.82,60.89 v1(45.41,60.48) ; v1(22.8,64.55) 22.33,64.08 20.56,64.08 ; 7.4,18.2 6.88,17.68 6.88,17.08 ; 42.7,11.95 42.97,11.68 J17.10 ; 42.7,11.95 42.55,12.1 v1(42.55,12.9)
  Bottom w0.5: 8.6,74.95 7.6,74.95 7.6,74.6 6.83,73.83 ; v1(39.21,74.78) 39.65,74.78 40.35,74.08 ; 7.6,81.35 7.6,81.7 6.83,82.47 2.65,82.47 ; R48.1 25.4,88
  Bottom w0.6: C41.1 v2(31.7,94.3) ; v2(63.25,67.25) 63.15,67.35 Q5.2 55.56,67.35 55.3,67.08 ; 24.03,84.9 24.6,84.33 U27.1 v1(24.6,82.6) ; 24.03,84.9 v1(24.3,84.9) v1(25.15,84.9) 25.4,85.15 25.4,90 26.45,91.05 ; 24.03,84.9 v1(23.5,84.9) v1(22.65,84.9) v1(21.85,84.9) 21.22,84.9 ; 87.38,15.98 v1(87.8,16.4) v1(89.15,16.4) ; 90.2,86.08 91.22,87.1 C103.1 91.32,87.1 C86.2 ; 27.58,37.55 27.58,39.05 ; C78.1 91.2,75 90.23,75 C89.2 ; C42.2 v2(23.25,95.5) ; C98.2 89.9,62.53 85.47,62.53 v1(83.3,64.7) ; X3.6 79.25,83.3 80.85,83.3 81.65,82.5 Q2.2 82.6,81.9 v1(82.7,82) ; SW1.1 80.55,4.7 80.5,4.65 79.66,4.65 79.04,4.03 73.86,4.03 69.99,7.9 65.93,7.9 U4.40 ; 86.58,16 U1.5
  Bottom w0.8: J25.1 J25.2 ; C89.2 86.53,75.03 86.5,75 ; v1(87.2,73.58) C92.2 ; C77.1 C69.1 97.78,97.75 97.78,95.94 R83.2 v1(97.11,90.35) v1(97.11,88.08) v1(97.11,86.1) v1(97.11,83.9) v1(97.11,81.4) v1(97.11,80.38) v1(97.11,77.88) v1(97.11,75.8) v1(97.11,73.83) v1(97.11,68.8) R88.2 98.28,66.51 98.28,64.18 v1(97.66,63.56) 96.97,62.88 v1(96,62.88) C97.1 ; 69.34,11 71.1,11 71.6,10.5 v1(71.6,9.2) ; 6.83,73.83 2.65,73.83 ; J25.7 J25.8
  vias: v1(0.6,13.4) v1(0.8,8.4) v1(1,3.2) v1(1.4,98.3) v1(1.6,12.1) v1(1.6,7) v1(1.8,80.9) v1(1.9,75.6) v1(2.1,1.6) v1(2.15,61.6) v1(2.2,9.1) v1(2.3,22.5) v1(2.3,20.5) v1(2.4,18.8) v1(2.5,58.6) v1(2.5,55.4) v1(2.5,5) v1(2.6,86.3) v1(2.6,52.2) v1(2.8,47.5) v1(2.75,40.25) v1(3.2,57.1) v1(3.4,39.2) v1(3.5,80.5) v1(3.5,62.9) v1(3.5,24.5) v1(3.6,75.5) v1(3.7,61.2) v1(3.8,4.8) v1(3.9,52.9) v1(3.9,8.15) v1(4.1,85.3) v1(4.2,33.9) v1(4.2,22.2) v1(4.35,28.35) v1(4.3,6.3) v1(4.3,3.3) v1(4.4,57.8) v1(4.6,40.8) v1(4.85,49.9) v1(4.9,24.8) v1(4.9,1.9) v1(5,53.9) v1(4.95,14.15) v1(5.1,60.2) v1(5.1,35.42) v1(5.35,27.95) v1(5.4,68.7) v1(5.4,62.9) v1(5.5,66.6) v1(5.5,33.1) v1(5.5,21.4) v1(5.5,10.3) v1(5.6,79.4) v1(5.7,11.25) v1(5.8,76.8) v1(6,1) v1(6.3,58.7) v1(6.3,40.2) v1(6.3,6.3) v1(6.4,43.55) v1(6.5,61.2) v1(6.8,45.6) v1(6.9,42.35) v1(7,56.05) v1(7.2,88.8) v1(7.3,11.2) v1(7.4,48.9) v1(7.9,14.7) v1(8.05,84.75) v1(8,7.7) v1(8.4,56.6) v1(8.4,42.3) v1(8.55,74.6) v1(8.5,37.3) v1(8.6,11) v1(8.7,81.4) v1(8.8,33.75) v1(8.9,61.2) v1(9,0.9) v1(9.1,73.1) v1(9.4,26.3) v1(9.55,27.1) v1(9.6,33.35) v1(9.85,68.85) v1(10,30.5) v1(10.2,70.2) v1(10.2,20.15) v1(10.2,3.3) v1(10.4,66.6) v1(10.6,97.8) v1(10.8,67.5) v1(10.9,43.8) v1(11.05,69.65) v1(11.2,56.1) v1(11.3,68.65) v1(11.5,81.1) v1(11.6,83.6) v1(11.8,76.9) v1(11.8,75.9) v1(12.2,84.8) v1(12.15,79.7) v1(12.2,57.75) v1(12.45,83.15) v1(12.45,81.6) v1(12.8,78.5) v1(12.8,76.9) v1(12.8,49.05) v1(13.05,79.75) v1(13,47.5) v1(13,45) v1(13.2,43.4) v1(13.6,84.9) v1(13.6,9.5) v1(13.6,2.5) v1(13.6,0.6) v1(13.7,76.9) v1(13.65,54.29) v1(13.7,4.6) v1(14.1,97.8) v1(14.3,57.3) v1(15.2,69.9) v1(15.3,74.9) v1(15.3,74.1) v1(15.3,73.2) v1(15.6,84.2) v1(15.6,82.8) v1(15.6,67.8) v1(15.6,67.1) v1(15.6,66.4) v1(15.75,93) v1(15.9,68.85) v1(16.2,83.5) v1(16.2,64.7) v1(16.15,63.1) v1(16.2,57.3) v1(16.3,54.1) v1(16.4,74.1) v1(16.55,41.15) v1(16.65,66.45) v1(16.7,47.7) v1(16.8,84.2) v1(16.8,82.8) v1(16.8,67.8) v1(16.8,7.4) v1(17,51.3) v1(17.1,74.8) v1(17.25,68.9) v1(17.3,58.8) v1(17.6,37.4) v1(17.7,66.1) v1(17.65,64.7) v1(17.7,63.1) v1(17.75,67.1) v1(18,7) v1(18.3,58.8) v1(18.4,57.3) v1(18.4,17.05) v1(18.5,43.05) v1(18.6,55.3) v1(18.6,45.8) v1(18.7,66.55) v1(18.9,68.9) v1(19.1,63.15) v1(19.15,64.75) v1(19.25,58.85) v1(19.25,17.05) v1(19.6,64.05) v1(19.7,50.3) v1(19.7,25.8) v1(19.8,41.1) v1(20.55,58.4) v1(20.8,87) v1(20.8,85.85) v1(20.85,68.1) v1(21.35,56) v1(21.3,43.4) v1(21.4,68.9) v1(21.52,58.89) v1(21.5,47) v1(21.5,25.7) v1(21.7,48.2) v1(21.75,87) v1(21.75,85.85) v1(21.8,8.9) v1(21.9,50.8) v1(21.95,64.7) v1(22,53.6) v1(22.1,57.4) v1(22.25,68.55) v1(22.9,61.05) v1(23.7,28.3) v1(23.8,75.95) v1(23.8,74.8) v1(24.6,25.9) v1(25.25,80.17) v1(25.2,69.9) v1(25.7,58.2) v1(25.9,69.35) v1(25.9,53.5) v1(26.2,41.1) v1(26.2,39.4) v1(26.7,69.2) v1(26.85,23.6) v1(26.9,40.55) v1(26.9,39.05) v1(27.3,78.3) v1(27.55,38.3) v1(27.6,41.25) v1(27.6,39.75) v1(27.7,18) v1(27.8,16.5) v1(28,27.9) v1(28.05,59) v1(28.1,26.9) v1(28.3,61.8) v1(28.4,20.9) v1(28.5,9.1) v1(28.57,62.97) v1(29.6,63.7) v1(30,41.7) v1(30.35,15.65) v1(30.4,40.3) v1(30.5,62.5) v1(30.6,60.5) v1(31,10.4) v1(31.25,22.75) v1(31.3,64) v1(31.6,62.75) v1(31.8,61.1) v1(32.1,19.4) v1(32.28,77.58) v1(32.28,76.1) v1(32.55,65.55) v1(32.6,45) v1(32.6,16.5) v1(32.85,74.45) v1(33.22,59.65) v1(33.4,19.95) v1(33.7,28.7) v1(34,66.2) v1(34.05,65.1) v1(34.3,67.1) v1(34.35,59.9) v1(34.8,8.7) v1(35.1,47) v1(35.7,61.8) v1(35.7,53.3) v1(35.7,28.9) v1(35.8,18.8) v1(36,97.6) v1(36.3,54.9) v1(36.7,51.7) v1(36.7,40.2) v1(37.2,16) v1(37.2,11.35) v1(37.4,93.7) v1(37.5,58.7) v1(37.65,40.2) v1(37.8,39.3) v1(38.2,20.05) v1(38.4,59.1) v1(38.7,92.5) v1(38.8,41.8) v1(39,56.7) v1(39.1,25.95) v1(39.3,46.5) v1(39.4,49.3) v1(39.45,18.55) v1(39.8,63) v1(39.8,43.5) v1(39.9,93.8) v1(39.9,51.8) v1(39.9,45.3) v1(40,8.7) v1(40.05,87.95) v1(40.1,53.8) v1(40.2,61.17) v1(40.8,56.8) v1(40.9,20.25) v1(41.2,42.15) v1(41.5,97.2) v1(41.5,92.5) v1(41.5,39.05) v1(41.6,19.55) v1(41.9,52.8) v1(42.4,18.8) v1(43,93.5) v1(43,20.8) v1(43.15,38.45) v1(43.15,36.65) v1(43.25,10.4) v1(43.85,37.55) v1(43.8,19.85) v1(44.05,23.55) v1(44.05,9.1) v1(45,92.5) v1(45.1,97.6) v1(45.45,54.1) v1(45.6,55.7) v1(45.95,39.6) v1(46.55,8.1) v1(46.75,31.2) v1(47.05,32) v1(47.3,37.5) v1(47.5,93.2) v1(47.6,40.4) v1(48.1,41.6) v1(48.4,98.2) v1(48.65,53.65) v1(48.65,39.65) v1(48.7,37.2) v1(48.9,92.4) v1(48.9,8.1) v1(49.2,33.4) v1(49.45,32.35) v1(49.55,30.85) v1(49.6,16.9) v1(50,20.2) v1(50.2,55.7) v1(50.8,22.9) v1(50.8,12.55) v1(50.95,33.4) v1(51,55) v1(51,37.25) v1(51,15.5) v1(51.1,14.05) v1(51.2,18.4) v1(51.3,8.6) v1(51.9,21.9) v1(52.1,41.65) v1(52.1,40.35) v1(52.4,53.6) v1(52.85,20) v1(52.95,37.15) v1(52.9,8) v1(53,98.3) v1(53.2,13.1) v1(53.9,21.1) v1(54.65,91.95) v1(54.65,19.5) v1(54.8,36) v1(55,55.8) v1(55.3,8.1) v1(55.5,40.45) v1(56,30.1) v1(56,12.6) v1(56.05,53.65) v1(56.3,39.6) v1(56.55,37.75) v1(56.9,41.85) v1(56.9,21) v1(57.4,13.95) v1(57.5,53.15) v1(57.6,20) v1(57.8,16.65) v1(58.1,88.15) v1(58.05,15.25) v1(58.4,92.3) v1(58.6,32.6) v1(58.7,18.2) v1(58.7,12.8) v1(59.1,97.2) v1(59.1,20.3) v1(59.3,8.6) v1(60.2,34) v1(60.2,25) v1(60.4,68.6) v1(60.55,93.45) v1(60.6,65.5) v1(60.8,29.8) v1(60.85,9.6) v1(60.9,13) v1(61.2,20.55) v1(61.3,25.1) v1(61.3,19) v1(61.5,60.3) v1(61.8,84.4) v1(61.9,15.4) v1(61.9,8.4) v1(62,30.3) v1(62.1,16.9) v1(62.7,36.2) v1(62.8,84.2) v1(63.1,18.95) v1(63.2,9.5) v1(63.4,13.8) v1(63.7,17.3) v1(63.7,15.6) v1(63.7,8.2) v1(63.8,29.7) v1(64.1,96.4) v1(64.1,93.8) v1(64.2,91.1) v1(64.5,88) v1(64.5,49) v1(64.7,67.4) v1(64.9,85.6) v1(64.9,68.8) v1(65,8.2) v1(65.9,47.1) v1(66,69.6) v1(66,68.1) v1(66,51.9) v1(66.4,7.9) v1(66.65,67.1) v1(66.95,17) v1(67,92.8) v1(67,26.7) v1(67.1,68.8) v1(67.2,58.2) v1(67.5,91.6) v1(67.5,54.8) v1(67.5,7.9) v1(67.6,4.7) v1(68,84.7) v1(68,3.1) v1(68.3,69.6) v1(68.3,68.1) v1(68.5,50.5) v1(68.6,61.2) v1(68.7,92.8) v1(68.85,58.55) v1(69,1.5) v1(69.3,68.8) v1(69.35,17) v1(69.5,85.7) v1(69.5,53.9) v1(69.5,21.6) v1(69.5,4.2) v1(69.6,96.8) v1(69.7,19.4) v1(69.8,23.4) v1(70.4,91.6) v1(70.4,84.3) v1(70.85,61.3) v1(71,86.1) v1(71.1,4) v1(71.4,71.6) v1(71.6,3) v1(72.4,2.1) v1(72.9,89) v1(72.9,58.7) v1(72.9,26.8) v1(73,54.4) v1(73,24.2) v1(73.2,61.5) v1(73.2,28.2) v1(73.3,17.1) v1(74.1,84.2) v1(74.2,0.9) v1(74.6,16.7) v1(74.9,77.45) v1(75.2,85.6) v1(75.25,83.5) v1(75.6,27.44) v1(75.6,22.4) v1(75.85,59.85) v1(76.1,25.3) v1(76.7,97.4) v1(76.8,17.1) v1(76.9,9.2) v1(77,65.1) v1(77,26.1) v1(77.1,5.65) v1(77.1,0.7) v1(77.2,85.8) v1(77.3,12.7) v1(77.7,15.95) v1(77.7,6.7) v1(77.8,98.7) v1(77.9,53.6) v1(78.2,57) v1(78.3,59.3) v1(78.3,28.5) v1(78.5,61.8) v1(78.5,12.2) v1(78.6,26.7) v1(78.6,18.6) v1(79.8,55.7) v1(79.8,20.1) v1(80.2,77.5) v1(80.3,65) v1(80.85,70.55) v1(80.8,57.2) v1(80.9,95.85) v1(81.2,98.6) v1(81.15,4.65) v1(81.3,59.3) v1(81.4,17.9) v1(81.5,28.5) v1(81.6,61.8) v1(82.35,16.05) v1(82.3,2.4) v1(82.4,73.7) v1(82.4,20.3) v1(82.4,13.1) v1(82.7,4.8) v1(82.8,14.4) v1(82.8,12.05) v1(83,69.5) v1(83.1,22.7) v1(83.5,7.2) v1(83.6,59.3) v1(84.1,21.4) v1(84.2,9.1) v1(84.3,61.7) v1(84.9,72.5) v1(85,76.8) v1(85.1,96.1) v1(86.4,3.2) v1(87.2,98.1) v1(87.3,1) v1(87.55,28.7) v1(87.8,72.7) v1(88.1,99.3) v1(88.7,5.3) v1(88.7,2.6) v1(89.2,26.6) v1(89.4,7.8) v1(89.5,73.6) v1(89.6,13.95) v1(89.7,87.7) v1(90.4,7.1) v1(90.8,87.7) v1(90.9,19.95) v1(91.1,26.7) v1(92,0.8) v1(92.1,15.1) v1(92.5,11.3) v1(92.75,4.2) v1(94,23) v1(94,13.2) v1(94.1,2.3) v1(94.4,0.6) v1(94.6,28.3) v1(94.6,9.7) v1(94.7,6.9) v1(94.9,26) v1(95.5,99.1) v1(95.55,98.1) v1(95.6,23.1) v1(95.8,22.3) v1(95.8,11.3) v1(96.6,25.7) v1(96.9,11.3) v1(97.1,71.6) v1(97.4,99.1) v1(97.8,27.8) v1(97.8,6.1) v1(98,22.3) v1(98,11.3) v1(98,3) v1(98.1,95.9) v1(98.1,93.7) v1(98.1,92.8) v1(98.1,91.6) v1(98.1,90.5) v1(98.05,89.15) v1(98.1,71.2) v1(98.1,70) v1(98.1,68.9) v1(98.1,68) v1(98.1,66.8) v1(98.1,65.7) v1(98.4,77.8) v1(98.4,72.5) v1(98.5,78.9) v1(98.5,75.7) v1(98.5,74.2) v1(98.6,80.9) v1(98.7,98.9) v1(98.7,88.4) v1(98.7,87) v1(98.7,85.9) v1(98.7,84.6) v1(98.7,83.4) v1(98.7,82.6) v1(98.8,96.9) v1(98.8,94.9) v1(98.9,89.7) v1(99,16.7) v1(99.2,22.8) v1(99.3,26) v1(99.3,4.3) v1(99.4,63.7) v1(99.4,20.1) v1(99.4,14.1) v1(99.4,7.8)